# EAGLE board Mk4 Final Panel 6up 3x2 (EAGLE 9.0.1), part 9 of 18
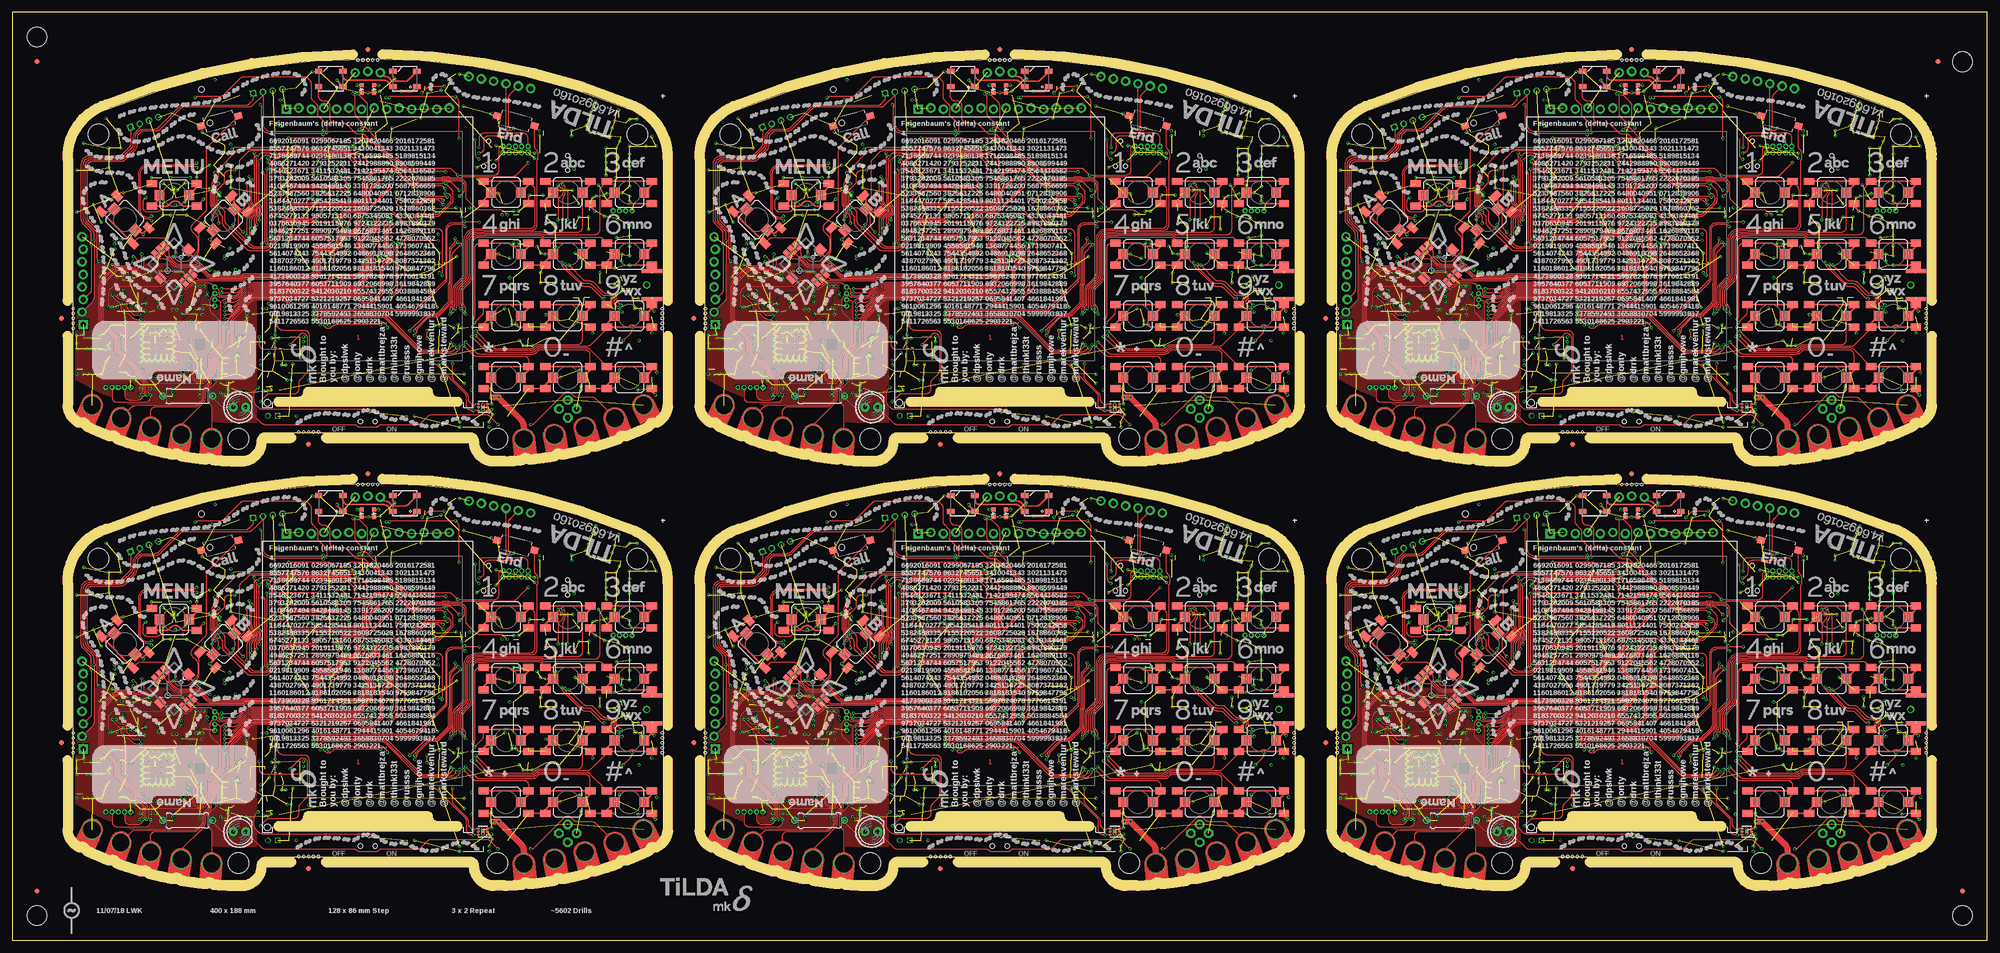
[diagram p0: board, top side]
## Tracks (layer width: path | path; a pad name or v marks a point on that pad's centre or on a via) (continued)
GND1  (via drill 0.3)  (433 unrouted) (continued)
  pour Bottom (no thermals): 177.4,39 177.4,40.1 177.2,40.3 177.2,41.05 177,41.25 175.75,41.25 175.25,40.75 175.25,39.25 175.5,39
  pour Bottom (no thermals): 171.9,26.8 171.9,24.3 arc-90 171.4,23.8 170.45,23.8 arc-90 169.95,24.3 169.95,31.65 arc-90 170.45,32.15 171.55,32.15 arc-90 172.05,31.65 172.05,28.1 arc90 172.55,27.6 173.8,27.6 173.85,27.55 173.85,26.9 173.75,26.8
  pour Top (rank 6): 140.2,51 140.2,28 arc34 177,19 177.5,19 177.5,51
GND2  (via drill 0.3)  (433 unrouted)
  Top 0.15: IC52.3 96.3,108.65 96.25,108.6 IC52.2 | v95.3,107.5 IC52.PAD v95.3,108.5
  Top 0.2: 96.3,108.65 96.95,108.65 v97.05,108.75
  Top 0.3: S49.1 107.95,124.95 S49.A1 | S45.A1 95.45,124.95 S45.1 v97,125 | S46.A1 95.45,112 95.7,111.75 v97,111.75 S46.1 | S54.1 120.45,112.45 S54.A1 | S53.1 129.55,128.05 S53.A1 | 120.45,149.5 120.45,149.95 S51.1 v123.5,151.5 | 120.45,149.5 S51.A1 | S47.A1 107.95,149.95 S47.1 110,152 v111,152 | S43.A1 95.45,149.95 S43.1 98.25,151.5 v98.5,151.25 | S44.A1 95.45,137.45 S44.1 v98.5,139 | 107.95,137 107.95,137.45 S48.1 v108.05,139 | 107.95,137 S48.A1 | S43.A2 104.55,150.8 v104.75,151 | 120.2,149.25 120.45,149.5 | S52.A2 v125,136.75 | v123.5,139 S52.1 120.45,137.45 S52.A1 S48.A2 | 104.5,124.3 S45.A2 102.5,124.25 v102,124.75 | S49.1 109,127 | S54.A2 129.5,111.75 129.5,111.25 v130.25,110.5 | S50.A2 S54.A1 | v111,114 S50.1 107.95,112.45 S50.A1 S46.A2 | S44.A2 107.7,136.75 107.95,137 | S59.1 97.49,167.01 v97,167.5 | LED15.C v72.03,171.75 LED16.C | LED13.3 61.95,176 v60.75,176 | S51.A2 125.91,149.25 arc-45 125.21,149.54 v125,149.75 | 27.61,144.39 S56.A1 26.5,143.26 v26.5,143 25.62,143.88 S56.1 | S56.A2 21.57,151.21 arc-45 22.28,151.5 v22.5,151.5 | S54.A1 v122,111.75 | S47.A2 117.05,148.7 v118,147.75 | S49.1 109.25,126.75 v108,126.75 | S49.A2 117.5,123.8 v117.5,123 | S57.A2 v28.25,154.5 | S57.1 37.35,152.55 S57.A1 v37.35,154.5 | S58.1 38.5,164.72 v38.5,163.75 | S55.A1 40.81,141.19 v40,142 40.68,142.68 S55.1 | v46.5,146.5 47.61,147.61 S55.A2 | LED14.3 77.05,175.36 arc45 77.34,174.66 v77.4,174.6 | S53.A2 121.5,129.8 v121.5,130 | S53.A1 129.55,127.95 v130,127.5 | S53.A1 129.53,128.76 J29.G@4
  Top 0.4: S52.A2 129.53,136.74 J29.G@3
  GND@3 0.4: v34.45,126.85 31.8,124.2 v31.8,123.85 | v29.5,129.5 28.75,128.75 28.75,124.6 v29.5,123.85 | v27,129.1 27.75,128.35 27.75,124.4 v28.3,123.85
  Bottom 0.15: J21.32 68.75,136.25 | J21.31 69.25,136 | J21.30 69.75,136 | J21.29 70.25,136 | J21.28 70.75,136 | J21.27 71.25,136 | J21.26 71.75,136 | J21.25 72.25,136 | J21.24 72.75,136 | J21.23 73.25,136 | J21.22 73.75,136 | J21.21 74.25,136 | J21.20 74.75,136 | J21.19 75.25,136 | J21.18 75.75,136 | J21.17 76.25,136 | J21.16 76.75,136 | J21.15 77.25,136 | J21.14 77.75,136 | J21.13 78.25,136 | J21.12 78.75,136 | J21.11 79.25,136 | IC38.58 v65.6,154.8 | IC38.55 v65.6,153.6 | IC41.3 87.05,172 v86.85,172.2 | ANT6.3 118.79,169.9 v118.15,169.9 | v117.7,168.75 117.8,168.65 117.94,168.65 117.84,168.75 v117.7,168.75 | ANT6.2 118.05,168.4 v117.7,168.75 | ANT6.4 122.28,168.2 v122.75,168.2 | IC47.PAD v30.1,121.1 | IC47.PAD v28.9,121.1 | IC47.PAD v28.9,119.9 | IC47.PAD v30.1,119.9 | v28.9,122.3 29.5,122.9 v29.5,123.85 | v28.3,123.85 28.3,122.9 v27.7,122.3 27.75,122.35 | v31.3,122.3 31.3,123.35 v31.8,123.85 | v87.5,116.75 C318.2 88,117.5 arc90 88.5,118 88.5,118.5 arc90 88,119 IC50.2 87.46,119 arc45 87.1,118.85 86.9,118.65 arc-45 86.54,118.5 IC50.4 | C320.2 96.45,108.5 | v113.25,164 C269.2 | C272.2 v113.25,163 | C270.2 v106.75,164 | C268.2 v106.75,163 | v30.55,153.4 30.25,153.7 R233.2
  Bottom 0.2: C231.1 74.6,141.85 IC38.10 | IC38.17 71.8,142.01 arc-45 71.65,141.65 C230.1 v71.5,140.75 | IC38.48 63.46,150.8 arc-45 C228.1 | IC38.114 80.74,150.4 arc45 81.44,150.69 C227.1 | IC38.80 71.8,160.05 71.97,160.22 | X12.4 19.88,119.42 19.7,119.6 v18.9,119.6 | X12.2 21.73,115.08 v21.8,115 | IC49.23 87.8,124.75 arc-45 87.66,124.81 87.25,125.22 arc-90 87.25,125.25 | 87.25,125.25 v87.25,125.5 | IC49.24 87.25,125.25 | IC49.18 89,121.25 v88.75,121 | IC49.9 v93.25,124.25 | IC42.17 52.5,119.5 v52,119 IC42.18 | J24.GND4 123,114.05 | 96.45,108.5 arc45 v97.05,108.75 | v37.3,155.5 C322.2 | IC44.4 93.97,155.72 C287.1
  Bottom 0.25: J21.50 59.75,135.45 v60.25,135.95 | J21.49 v60.25,135.95 | J21.48 60.75,135.45 v60.25,135.95 | J21.43 63.25,136 | J21.6 v81.75,133.5 | v74,138.75 74,139.62 C232.1 74.25,140.12 C231.1 | v62,151.1 C228.1 | v82.25,150.75 C227.1 | v72,161 C229.1 71.97,160.22 | C226.1 C234.1 v73,162.45 | v61,155.25 R165.2 | C233.1 71.05,162.25 v71.65,161.65 | v81.5,106.25 S61.1 | v57.5,106.25 S62.1 | C237.1 v68.7,161 | C236.1 v64.1,161 | v77.5,162.45 C235.1 | R227.2 v31.25,113.75 | v33.35,151.95 IC46.PAD v32.8,151.5 | C252.2 44.88,113.22 | v91.45,169 C223.1 | v74.5,172 C221.1
  Bottom 0.3: 83.45,172.3 v84.15,171.6 | v38,125 R226.2 | v20.25,128.25 C295.1 | v22.5,129 22.62,128.88 C300.2 | v102.5,141.25 C278.2 | v101.5,141.25 C275.2 | v102.5,147.75 C274.2 | C276.2 v101.5,147.75 | IC39.8 106.1,140.65 v106.25,140.5 | R200.2 v100.75,138.25 | R192.2 v100.75,132.25 | R199.2 v100.75,134.25 | IC39.13 108.1,146.65 v108.25,146.5 | IC39.21 116.9,146.65 v116.75,146.5 | Q11.2 100.65,128.15 R190.2 v99.75,128 | C287.1 v94,156.5 | v98,158 97.91,158.09 JP19.5 | C280.1 v105.75,159.5 | IC45.7 99.19,147.81 R211.1 v99.25,147 | v107.5,151 C265.1 | v111,152 110.5,151.5 C264.1 | C263.1 v113.5,152 | J24.GND3 117.21,124.06 arc-45 117.5,123.36 v117.5,123 | 129.38,126.5 J24.GND2 129.5,126.59 arc-45 129.79,127.29 v130,127.5 | 130.17,124 J24.C4 129.79,123.74 arc45 129.5,123.04 v129.5,123 | v130.5,115 130.38,115 J24.GND1 | v115.25,112.25 R215.2 116.92,112.25 Q10.2 | C266.1 v126.75,111.5 | J24.C5 122.85,115.65 v123,115.5 123,114.05 | v115,115.5 115.23,115.27 116.25,115.27 J24.GND6 | C220.1 v82.25,145 | C225.1 v85,148.25 | C224.1 v85,149.5 | Q9.4 Q9.EP2 | C246.1 v57.5,140.25 | IC37.28 43.07,140.25 v44,140.25 | C242.1 v40,152.25 | IC37.46 44.2,154.7 v44.25,154.75 | C245.1 v40,157 | IC37.54 43.89,161.1 arc45 v44.25,161.25 | IC37.52 v44.25,159.5 | C244.1 v56.75,161.75 | C240.1 v57.5,159.5 | IC37.6 53.4,157.1 v53.25,157.25 | C241.1 v57.5,154.75 | C243.1 v57.5,150.75 | R175.1 v59,121.25 | R177.2 v59,122.25 | R179.2 54.15,127.5 arc45 v54.75,127.75 | v38,138 C261.1 | v38.75,138 38.75,137.5 C261.1 | v37.25,138 37.25,137.5 C261.1 | IC37.12 53.3,152.3 v53.25,152.25 | R219.2 v21.25,134.45 | R220.2 v22.25,134.45 | R207.2 v91,146.5 | v32.05,146.95 C293.2 | v114.75,146.5 114.7,146.55 IC39.19 114.7,149.2 v114.75,149.25
  Bottom 0.3: R217.2 41.95,113.5 v42.2,113.75 | IC49.25 v89.5,124 | v72.6,164.55 72.67,164.55 X10.4 | X10.2 76.83,164.55 v76.95,164.55 | v88.5,173.5 C238.1 | v90.6,175.5 R169.2 | C222.1 v82.75,166.5 | C279.1 v89.9,148.45 | J26.8 J26.4 | J28.8 J28.4 | IC37.41 42.05,150.7 v42,150.75 | J24.GND5 123.11,126.91 v123.5,127.3 122.94,127.3 arc-45 122.23,127.59 IC43.3 | IC39.33 119.3,132.95 v119,133.25 | v123.45,137.6 C281.1 | v122.7,132.5 D6.2 | v122.7,133.5 C282.1 | v17.75,122.75 C285.1 | v14.5,122.75 C286.1 | 38.55,128.8 C303.2 37.95,128.8 | IC53.2 v96.6,105 | C323.2 v90.6,104 | IC53.3 v96.6,104 | v119,135.25 119.1,135.15 IC39.31
  Bottom 0.35: v38.55,128 38.55,128.8 | v37.95,128 37.95,128.8
  Bottom 0.4: C305.2 34.1,126.5 v34.45,126.85 | v37.25,125.5 C299.2 | v38,123.75 C311.2 | C301.2 34.12,131.62 v34.25,131.5 | C301.2 v33.25,132.75 | v32,132.75 C302.2 C301.2 | C306.2 28.9,128.9 v29.5,129.5 29.4,129.4 | C304.2 v27,129.1 | v25.5,129.4 26.1,128.8 C298.2 | v40.5,120.25 C316.1 | v40.5,121.25 C317.1 | v38.25,116.75 C312.2 | C308.2 v36,119 | C294.1 v27.75,135.25 | C314.1 v22.95,119.5 | C310.2 v22.25,120.25 | C296.2 v22.25,121.25 | C315.1 v22.95,115 | R218.2 v24,113.5 | R221.2 v25,113.5 | R228.2 v26,111.75 | C313.2 v29,111.75 | C307.2 v28,111.75 | v38.5,126.75 C309.2 37.4,127.64 arc45 v37.25,128 | IC48.4 21.12,140.16 arc45 v20.75,140 | v38.25,114.75 R185.2 | v85.5,124.5 C239.1 | v50.25,116.5 50.85,116.5 C259.2 50.85,117.5 v50.25,117.5 | S60.2 71.4,107 v72.25,107 | Q9.EP2 86.4,135.35 v86.5,135.25 | v86.5,139.25 IC40.4 | 48.75,126.75 C260.2 48.38,126.25 v47.5,126.25 | 48.62,127 v47.5,127 | C256.2 47.6,125.4 v47.5,125.5 | v47.25,123.25 47.25,122.33 C257.1 | 13,119.6 v13,119.75 ANT5.4 | ANT5.3 v13,114.75 | ANT5.2 14.25,115.7 v14.25,114.75 | C262.1 v38,111 | C262.1 37.5,111.75 v38,111.75 | C262.1 37.5,110.25 v38,110.25 | J27.4 40.94,169.81 v40.5,170.25 | C219.2 65.88,172.62 v65.75,172.75 | IC54.3 99.26,106.15 arc-45 98.56,106.44 C324.2 97.68,106.68 arc-45 v97.25,106.5 | TP55.TP 43.75,118.1 v43.6,117.95
  Bottom 0.5: v24.35,134.05 24.35,133.5 C297.2 23.35,133.5 v23.35,134.05
  Bottom 1: J22.1 93.05,112.8 C254.2 | C254.2 91.6,112.85 v91.5,112.75 | C254.2 v93,111.5 | v58.35,118 C255.2 56.65,116.85 v56.75,116.75
  other vias: 69.25,136.25 78.75,136.25 62.9,139.15 32.8,152.4 32.25,151.95 122.7,146.1 122.35,142.35 122,166 121.5,164.5 121,163 119.5,163 118,163.5 117,163.75 116.25,165 116.75,166.25 117.25,167.75 27.7,121.1 27.7,119.9 27.7,118.7 28.9,118.7 30.1,118.7 31.3,118.7 31.3,119.9 31.3,121.1 30.1,122.3 23,125.25 23,122.35 19,117.2 18.25,114.75 17.25,114.75 16.25,114.75 15.25,114.75 18,119.75 17,119.75 16,119.75 15.2,119.75 91,124 90.25,124.75 90.25,123.25 101.25,125.5 101.25,124.75 126,128 125,138.75 125,140.65 125,142.75 125,144.75 125,150.75 125,152.75 125,154.75 125,159.25 125,160.85 128.4,160.85 130.4,160.85 53.25,122 54,122 53.25,122.75 53.25,121.25 52.5,122 35.3,146.95 30.55,146.95 30.55,149.45 35.05,149.55 35.05,153.45 43.7,112.85 43.7,112.35 43.7,111.35 43.7,111.85 42.9,110.25 43.6,110.25 42.6,117.95 42.5,116.95 42.5,114.75 42.5,115.55 26.75,121.1 26.75,119.9 26.75,118.7 26.75,122.3 32.25,121.1 32.25,119.9 32.25,118.7 32.25,122.3 27.7,117.75 28.9,117.75 30.1,117.75 31.3,117.75 27.7,123.25 28.9,123.25 30.1,123.25 31.3,123.25 32.25,117.75 32.25,123.25 26.75,123.25 26.75,117.75 30.7,123.85 27.2,123.85 26.15,123.85 26.15,122.8 29.5,117.15 30.7,117.15 31.9,117.15 28.3,117.15 27.2,117.15 32.85,120.45 32.85,119.25 32.85,118.05 32.85,121.65 26.15,120.5 26.15,119.3 26.15,118.2 26.15,121.7 32.85,122.75 32.85,123.85 32.85,117.15 26.15,117.15 126.7,130 125.7,130 127.5,128 122,136.2 16.5,156 16.5,149 19.5,156.5 19.5,160.5 22,160.5 19,166.5 14.5,161.5 13,156 13,147.5 18,145.5 19.25,136.25 13,122.5 110,133.25 107,133.25 107,135.25 107,139.25 114,139.25 116.7,144.1 114,144.75 120,146.75 123.5,131.5 123.25,134.5 125,156.25 125,157.75 123,161.85 125,166.35 129.5,162.85 126.5,166.35 121.85,132.95 125,131.5 18.6,122.95 19.35,120.45 19.85,120.95 22,122.7 21,124.7 22,124.7 20.1,124.6 122.25,160.5 120.25,160.5 122.25,159 120.25,159 122.25,157.5 120.25,157.5 122.25,156 120.25,156 122.25,154.5 120.25,155 118.75,153 118.25,150.75 117.5,150.5 119.75,151 120.5,151.25 122,153 17.75,134.5 16,122.15 13,120.85 110,144.25 110,140.5 110,141.9
  pour GND@3 (isolate 0.254, rank 6): 12.2,160.5 12.2,107 arc31 44,98 46.7,98 arc90 49.5,100.8 arc-90 51.5,102.8 92.5,102.8 arc-90 94.5,100.8 arc90 97.3,98 100,98 arc31 131.8,107 131.8,130.5 125.5,130.5 125.5,160.5 131.8,160.5 arc64 125.25,168.25 arc24 72,178.5 arc24 18.75,168.25 arc55
  pour Bottom (rank 6): 79.25,134.9 79.25,136.25 79,136.5 69,136.5 68.75,136.25 68.75,134.9
  pour Bottom (isolate 0.254, rank 6): 12.2,160.5 12.2,114 arc9 23,109 23,121 25,121 25,127 23,127 23,129 arc90 22,130 21,130 arc-90 20,131 20,151.71 arc-90 32.79,164.5 40.5,164.5 44,168 102.5,167.5 arc-90 105,165 105,130.5 116.09,130.5 arc-45 116.79,130.21 119.21,127.79 arc45 119.91,127.5 131.8,127.5 131.8,130.5 125.5,130.5 125.5,160.5 131.8,160.5 arc64 125.25,168.25 arc24 72,178.5 arc24 18.75,168.25 arc55
  pour Bottom (rank 2, no thermals): 113.5,131 115,131 115,128.5 114.41,128.5 arc45 113.71,128.21 113.29,127.79 arc45 113,127.09 113,125 arc-90 112,124 101.5,124 arc-90 100.5,125 arc-90 101.5,126 109.75,126 arc90 110.75,127 110.75,127.09 arc-45 111.04,127.79 111.71,128.46 arc-45 112.41,128.75 112.59,128.75 arc45 113.29,129.04 113.5,129.25
  pour Bottom (no thermals): 63.5,137.5 63.5,136.2 63.3,136 63.2,136 63,136.2 63,137.25 62.5,137.75 62.5,139.3 62.7,139.5 63.05,139.5 63.25,139.3 63.25,137.75
  pour Bottom: 35.55,146.95 35.55,152.95 arc90 34.55,153.95 31.05,153.95 arc90 30.05,152.95 30.05,146.95 arc90 31.05,145.95 34.55,145.95 arc90
  pour Bottom (no thermals): 49.4,125 49.4,126.1 49.2,126.3 49.2,127.05 49,127.25 47.75,127.25 47.25,126.75 47.25,125.25 47.5,125
  pour Bottom (no thermals): 43.9,112.8 43.9,110.3 arc-90 43.4,109.8 42.45,109.8 arc-90 41.95,110.3 41.95,117.65 arc-90 42.45,118.15 43.55,118.15 arc-90 44.05,117.65 44.05,114.1 arc90 44.55,113.6 45.8,113.6 45.85,113.55 45.85,112.9 45.75,112.8
  pour Top (rank 6): 12.2,137 12.2,114 arc34 49,105 49.5,105 49.5,137
GND3  (via drill 0.3)  (433 unrouted)
  Top 0.15: IC70.3 224.3,108.65 224.25,108.6 IC70.2 | v223.3,107.5 IC70.PAD v223.3,108.5
  Top 0.2: 224.3,108.65 224.95,108.65 v225.05,108.75
  Top 0.3: S70.1 235.95,124.95 S70.A1 | S66.A1 223.45,124.95 S66.1 v225,125 | S67.A1 223.45,112 223.7,111.75 v225,111.75 S67.1 | S75.1 248.45,112.45 S75.A1 | S74.1 257.55,128.05 S74.A1 | 248.45,149.5 248.45,149.95 S72.1 v251.5,151.5 | 248.45,149.5 S72.A1 | S68.A1 235.95,149.95 S68.1 238,152 v239,152 | S64.A1 223.45,149.95 S64.1 226.25,151.5 v226.5,151.25 | S65.A1 223.45,137.45 S65.1 v226.5,139 | 235.95,137 235.95,137.45 S69.1 v236.05,139 | 235.95,137 S69.A1 | S64.A2 232.55,150.8 v232.75,151 | 248.2,149.25 248.45,149.5 | S73.A2 v253,136.75 | v251.5,139 S73.1 248.45,137.45 S73.A1 S69.A2 | 232.5,124.3 S66.A2 230.5,124.25 v230,124.75 | S70.1 237,127 | S75.A2 257.5,111.75 257.5,111.25 v258.25,110.5 | S71.A2 S75.A1 | v239,114 S71.1 235.95,112.45 S71.A1 S67.A2 | S65.A2 235.7,136.75 235.95,137 | S80.1 225.49,167.01 v225,167.5 | LED21.C v200.03,171.75 LED22.C | LED19.3 189.95,176 v188.75,176 | S72.A2 253.91,149.25 arc-45 253.21,149.54 v253,149.75 | 155.61,144.39 S77.A1 154.5,143.26 v154.5,143 153.62,143.88 S77.1 | S77.A2 149.57,151.21 arc-45 150.28,151.5 v150.5,151.5 | S75.A1 v250,111.75 | S68.A2 245.05,148.7 v246,147.75 | S70.1 237.25,126.75 v236,126.75 | S70.A2 245.5,123.8 v245.5,123 | S78.A2 v156.25,154.5 | S78.1 165.35,152.55 S78.A1 v165.35,154.5 | S79.1 166.5,164.72 v166.5,163.75 | S76.A1 168.81,141.19 v168,142 168.68,142.68 S76.1 | v174.5,146.5 175.61,147.61 S76.A2 | LED20.3 205.05,175.36 arc45 205.34,174.66 v205.4,174.6 | S74.A2 249.5,129.8 v249.5,130 | S74.A1 257.55,127.95 v258,127.5 | S74.A1 257.53,128.76 J39.G@4
  Top 0.4: S73.A2 257.53,136.74 J39.G@3
  GND@3 0.4: v162.45,126.85 159.8,124.2 v159.8,123.85 | v157.5,129.5 156.75,128.75 156.75,124.6 v157.5,123.85 | v155,129.1 155.75,128.35 155.75,124.4 v156.3,123.85
  Bottom 0.15: J31.32 196.75,136.25 | J31.31 197.25,136 | J31.30 197.75,136 | J31.29 198.25,136 | J31.28 198.75,136 | J31.27 199.25,136 | J31.26 199.75,136 | J31.25 200.25,136 | J31.24 200.75,136 | J31.23 201.25,136 | J31.22 201.75,136 | J31.21 202.25,136 | J31.20 202.75,136 | J31.19 203.25,136 | J31.18 203.75,136 | J31.17 204.25,136 | J31.16 204.75,136 | J31.15 205.25,136 | J31.14 205.75,136 | J31.13 206.25,136 | J31.12 206.75,136 | J31.11 207.25,136 | IC56.58 v193.6,154.8 | IC56.55 v193.6,153.6 | IC59.3 215.05,172 v214.85,172.2 | ANT8.3 246.79,169.9 v246.15,169.9 | v245.7,168.75 245.8,168.65 245.94,168.65 245.84,168.75 v245.7,168.75 | ANT8.2 246.05,168.4 v245.7,168.75 | ANT8.4 250.28,168.2 v250.75,168.2 | IC65.PAD v158.1,121.1 | IC65.PAD v156.9,121.1 | IC65.PAD v156.9,119.9 | IC65.PAD v158.1,119.9 | v156.9,122.3 157.5,122.9 v157.5,123.85 | v156.3,123.85 156.3,122.9 v155.7,122.3 155.75,122.35 | v159.3,122.3 159.3,123.35 v159.8,123.85 | v215.5,116.75 C426.2 216,117.5 arc90 216.5,118 216.5,118.5 arc90 216,119 IC68.2 215.46,119 arc45 215.1,118.85 214.9,118.65 arc-45 214.54,118.5 IC68.4 | C428.2 224.45,108.5 | v241.25,164 C377.2 | C380.2 v241.25,163 | C378.2 v234.75,164 | C376.2 v234.75,163 | v158.55,153.4 158.25,153.7 R311.2
  Bottom 0.2: C339.1 202.6,141.85 IC56.10 | IC56.17 199.8,142.01 arc-45 199.65,141.65 C338.1 v199.5,140.75 | IC56.48 191.46,150.8 arc-45 C336.1 | IC56.114 208.74,150.4 arc45 209.44,150.69 C335.1 | IC56.80 199.8,160.05 199.97,160.22 | X16.4 147.88,119.42 147.7,119.6 v146.9,119.6 | X16.2 149.72,115.08 v149.8,115 | IC67.23 215.8,124.75 arc-45 215.66,124.81 215.25,125.22 arc-90 215.25,125.25 | 215.25,125.25 v215.25,125.5 | IC67.24 215.25,125.25 | IC67.18 217,121.25 v216.75,121 | IC67.9 v221.25,124.25 | IC60.17 180.5,119.5 v180,119 IC60.18 | J34.GND4 251,114.05 | 224.45,108.5 arc45 v225.05,108.75 | v165.3,155.5 C430.2 | IC62.4 221.97,155.72 C395.1
  Bottom 0.25: J31.50 187.75,135.45 v188.25,135.95 | J31.49 v188.25,135.95 | J31.48 188.75,135.45 v188.25,135.95 | J31.43 191.25,136 | J31.6 v209.75,133.5 | v202,138.75 202,139.62 C340.1 202.25,140.12 C339.1 | v190,151.1 C336.1 | v210.25,150.75 C335.1 | v200,161 C337.1 199.97,160.22 | C334.1 C342.1 v201,162.45 | v189,155.25 R243.2 | C341.1 199.05,162.25 v199.65,161.65 | v209.5,106.25 S82.1 | v185.5,106.25 S83.1 | C345.1 v196.7,161 | C344.1 v192.1,161 | v205.5,162.45 C343.1 | R305.2 v159.25,113.75 | v161.35,151.95 IC64.PAD v160.8,151.5 | C360.2 172.88,113.22 | v219.45,169 C331.1 | v202.5,172 C329.1
  Bottom 0.3: 211.45,172.3 v212.15,171.6 | v166,125 R304.2 | v148.25,128.25 C403.1 | v150.5,129 150.62,128.88 C408.2 | v230.5,141.25 C386.2 | v229.5,141.25 C383.2 | v230.5,147.75 C382.2 | C384.2 v229.5,147.75 | IC57.8 234.1,140.65 v234.25,140.5 | R278.2 v228.75,138.25 | R270.2 v228.75,132.25 | R277.2 v228.75,134.25 | IC57.13 236.1,146.65 v236.25,146.5 | IC57.21 244.9,146.65 v244.75,146.5 | Q15.2 228.65,128.15 R268.2 v227.75,128 | C395.1 v222,156.5 | v226,158 225.91,158.09 JP28.5 | C388.1 v233.75,159.5 | IC63.7 227.19,147.81 R289.1 v227.25,147 | v235.5,151 C373.1 | v239,152 238.5,151.5 C372.1 | C371.1 v241.5,152 | J34.GND3 245.21,124.06 arc-45 245.5,123.36 v245.5,123 | 257.38,126.5 J34.GND2 257.5,126.59 arc-45 257.79,127.29 v258,127.5 | 258.17,124 J34.C4 257.79,123.74 arc45 257.5,123.04 v257.5,123 | v258.5,115 258.38,115 J34.GND1 | v243.25,112.25 R293.2 244.93,112.25 Q14.2 | C374.1 v254.75,111.5 | J34.C5 250.85,115.65 v251,115.5 251,114.05 | v243,115.5 243.23,115.27 244.25,115.27 J34.GND6 | C328.1 v210.25,145 | C333.1 v213,148.25 | C332.1 v213,149.5 | Q13.4 Q13.EP2 | C354.1 v185.5,140.25 | IC55.28 171.07,140.25 v172,140.25 | C350.1 v168,152.25 | IC55.46 172.2,154.7 v172.25,154.75 | C353.1 v168,157 | IC55.54 171.89,161.1 arc45 v172.25,161.25 | IC55.52 v172.25,159.5 | C352.1 v184.75,161.75 | C348.1 v185.5,159.5 | IC55.6 181.4,157.1 v181.25,157.25 | C349.1 v185.5,154.75 | C351.1 v185.5,150.75 | R253.1 v187,121.25 | R255.2 v187,122.25 | R257.2 182.15,127.5 arc45 v182.75,127.75 | v166,138 C369.1 | v166.75,138 166.75,137.5 C369.1 | v165.25,138 165.25,137.5 C369.1 | IC55.12 181.3,152.3 v181.25,152.25 | R297.2 v149.25,134.45 | R298.2 v150.25,134.45 | R285.2 v219,146.5
  Bottom 0.3: v160.05,146.95 C401.2 | v242.75,146.5 242.7,146.55 IC57.19 242.7,149.2 v242.75,149.25 | R295.2 169.95,113.5 v170.2,113.75 | IC67.25 v217.5,124 | v200.6,164.55 200.68,164.55 X14.4 | X14.2 204.82,164.55 v204.95,164.55 | v216.5,173.5 C346.1 | v218.6,175.5 R247.2 | C330.1 v210.75,166.5 | C387.1 v217.9,148.45 | J36.8 J36.4 | J38.8 J38.4 | IC55.41 170.05,150.7 v170,150.75 | J34.GND5 251.11,126.91 v251.5,127.3 250.94,127.3 arc-45 250.23,127.59 IC61.3 | IC57.33 247.3,132.95 v247,133.25 | v251.45,137.6 C389.1 | v250.7,132.5 D8.2 | v250.7,133.5 C390.1 | v145.75,122.75 C393.1 | v142.5,122.75 C394.1 | 166.55,128.8 C411.2 165.95,128.8 | IC71.2 v224.6,105 | C431.2 v218.6,104 | IC71.3 v224.6,104 | v247,135.25 247.1,135.15 IC57.31
  Bottom 0.35: v166.55,128 166.55,128.8 | v165.95,128 165.95,128.8
  Bottom 0.4: C413.2 162.1,126.5 v162.45,126.85 | v165.25,125.5 C407.2 | v166,123.75 C419.2 | C409.2 162.12,131.62 v162.25,131.5 | C409.2 v161.25,132.75 | v160,132.75 C410.2 C409.2 | C414.2 156.9,128.9 v157.5,129.5 157.4,129.4 | C412.2 v155,129.1 | v153.5,129.4 154.1,128.8 C406.2 | v168.5,120.25 C424.1 | v168.5,121.25 C425.1 | v166.25,116.75 C420.2 | C416.2 v164,119 | C402.1 v155.75,135.25 | C422.1 v150.95,119.5 | C418.2 v150.25,120.25 | C404.2 v150.25,121.25 | C423.1 v150.95,115 | R296.2 v152,113.5 | R299.2 v153,113.5 | R306.2 v154,111.75 | C421.2 v157,111.75 | C415.2 v156,111.75 | v166.5,126.75 C417.2 165.4,127.64 arc45 v165.25,128 | IC66.4 149.12,140.16 arc45 v148.75,140 | v166.25,114.75 R263.2 | v213.5,124.5 C347.1 | v178.25,116.5 178.85,116.5 C367.2 178.85,117.5 v178.25,117.5 | S81.2 199.4,107 v200.25,107 | Q13.EP2 214.4,135.35 v214.5,135.25 | v214.5,139.25 IC58.4 | 176.75,126.75 C368.2 176.38,126.25 v175.5,126.25 | 176.62,127 v175.5,127 | C364.2 175.6,125.4 v175.5,125.5 | v175.25,123.25 175.25,122.33 C365.1 | 141,119.6 v141,119.75 ANT7.4 | ANT7.3 v141,114.75 | ANT7.2 142.25,115.7 v142.25,114.75 | C370.1 v166,111 | C370.1 165.5,111.75 v166,111.75 | C370.1 165.5,110.25 v166,110.25 | J37.4 168.94,169.81 v168.5,170.25 | C327.2 193.88,172.62 v193.75,172.75 | IC72.3 227.26,106.15 arc-45 226.56,106.44 C432.2 225.68,106.68 arc-45 v225.25,106.5 | TP74.TP 171.75,118.1 v171.6,117.95
  Bottom 0.5: v152.35,134.05 152.35,133.5 C405.2 151.35,133.5 v151.35,134.05
  Bottom 1: J32.1 221.05,112.8 C362.2 | C362.2 219.6,112.85 v219.5,112.75 | C362.2 v221,111.5 | v186.35,118 C363.2 184.65,116.85 v184.75,116.75
  other vias: 197.25,136.25 206.75,136.25 190.9,139.15 160.8,152.4 160.25,151.95 250.7,146.1 250.35,142.35 250,166 249.5,164.5 249,163 247.5,163 246,163.5 245,163.75 244.25,165 244.75,166.25 245.25,167.75 155.7,121.1 155.7,119.9 155.7,118.7 156.9,118.7 158.1,118.7 159.3,118.7 159.3,119.9 159.3,121.1 158.1,122.3 151,125.25 151,122.35 147,117.2 146.25,114.75 145.25,114.75 144.25,114.75 143.25,114.75 146,119.75 145,119.75 144,119.75 143.2,119.75 219,124 218.25,124.75 218.25,123.25 229.25,125.5 229.25,124.75 254,128 253,138.75 253,140.65 253,142.75 253,144.75 253,150.75 253,152.75 253,154.75 253,159.25 253,160.85 256.4,160.85 258.4,160.85 181.25,122 182,122 181.25,122.75 181.25,121.25 180.5,122 163.3,146.95 158.55,146.95 158.55,149.45 163.05,149.55 163.05,153.45 171.7,112.85 171.7,112.35 171.7,111.35 171.7,111.85 170.9,110.25 171.6,110.25 170.6,117.95 170.5,116.95 170.5,114.75 170.5,115.55 154.75,121.1 154.75,119.9 154.75,118.7 154.75,122.3 160.25,121.1 160.25,119.9 160.25,118.7 160.25,122.3 155.7,117.75 156.9,117.75 158.1,117.75 159.3,117.75 155.7,123.25 156.9,123.25 158.1,123.25 159.3,123.25 160.25,117.75 160.25,123.25 154.75,123.25 154.75,117.75 158.7,123.85 155.2,123.85 154.15,123.85 154.15,122.8 157.5,117.15 158.7,117.15 159.9,117.15 156.3,117.15 155.2,117.15 160.85,120.45 160.85,119.25 160.85,118.05 160.85,121.65 154.15,120.5 154.15,119.3 154.15,118.2 154.15,121.7 160.85,122.75 160.85,123.85 160.85,117.15 154.15,117.15 254.7,130 253.7,130 255.5,128 250,136.2 144.5,156 144.5,149 147.5,156.5 147.5,160.5 150,160.5 147,166.5 142.5,161.5 141,156 141,147.5 146,145.5 147.25,136.25 141,122.5 238,133.25 235,133.25 235,135.25 235,139.25 242,139.25 244.7,144.1 242,144.75 248,146.75 251.5,131.5 251.25,134.5 253,156.25 253,157.75 251,161.85 253,166.35 257.5,162.85 254.5,166.35 249.85,132.95 253,131.5 146.6,122.95 147.35,120.45 147.85,120.95 150,122.7 149,124.7 150,124.7 148.1,124.6 250.25,160.5 248.25,160.5 250.25,159 248.25,159 250.25,157.5 248.25,157.5 250.25,156 248.25,156 250.25,154.5 248.25,155 246.75,153 246.25,150.75 245.5,150.5 247.75,151 248.5,151.25 250,153 145.75,134.5 144,122.15 141,120.85 238,144.25 238,140.5 238,141.9
  pour GND@3 (isolate 0.254, rank 6): 140.2,160.5 140.2,107 arc31 172,98 174.7,98 arc90 177.5,100.8 arc-90 179.5,102.8 220.5,102.8 arc-90 222.5,100.8 arc90 225.3,98 228,98 arc31 259.8,107 259.8,130.5 253.5,130.5 253.5,160.5 259.8,160.5 arc64 253.25,168.25 arc24 200,178.5 arc24 146.75,168.25 arc55
  pour Bottom (rank 6): 207.25,134.9 207.25,136.25 207,136.5 197,136.5 196.75,136.25 196.75,134.9
  pour Bottom (isolate 0.254, rank 6): 140.2,160.5 140.2,114 arc9 151,109 151,121 153,121 153,127 151,127 151,129 arc90 150,130 149,130 arc-90 148,131 148,151.71 arc-90 160.79,164.5 168.5,164.5 172,168 230.5,167.5 arc-90 233,165 233,130.5 244.09,130.5 arc-45 244.79,130.21 247.21,127.79 arc45 247.91,127.5 259.8,127.5 259.8,130.5 253.5,130.5 253.5,160.5 259.8,160.5 arc64 253.25,168.25 arc24 200,178.5 arc24 146.75,168.25 arc55
  pour Bottom (rank 2, no thermals): 241.5,131 243,131 243,128.5 242.41,128.5 arc45 241.71,128.21 241.29,127.79 arc45 241,127.09 241,125 arc-90 240,124 229.5,124 arc-90 228.5,125 arc-90 229.5,126 237.75,126 arc90 238.75,127 238.75,127.09 arc-45 239.04,127.79 239.71,128.46 arc-45 240.41,128.75 240.59,128.75 arc45 241.29,129.04 241.5,129.25
  pour Bottom (no thermals): 191.5,137.5 191.5,136.2 191.3,136 191.2,136 191,136.2 191,137.25 190.5,137.75 190.5,139.3 190.7,139.5 191.05,139.5 191.25,139.3 191.25,137.75
  pour Bottom: 163.55,146.95 163.55,152.95 arc90 162.55,153.95 159.05,153.95 arc90 158.05,152.95 158.05,146.95 arc90 159.05,145.95 162.55,145.95 arc90